# KiCad board vme-wren.kicad_pcb (continued)
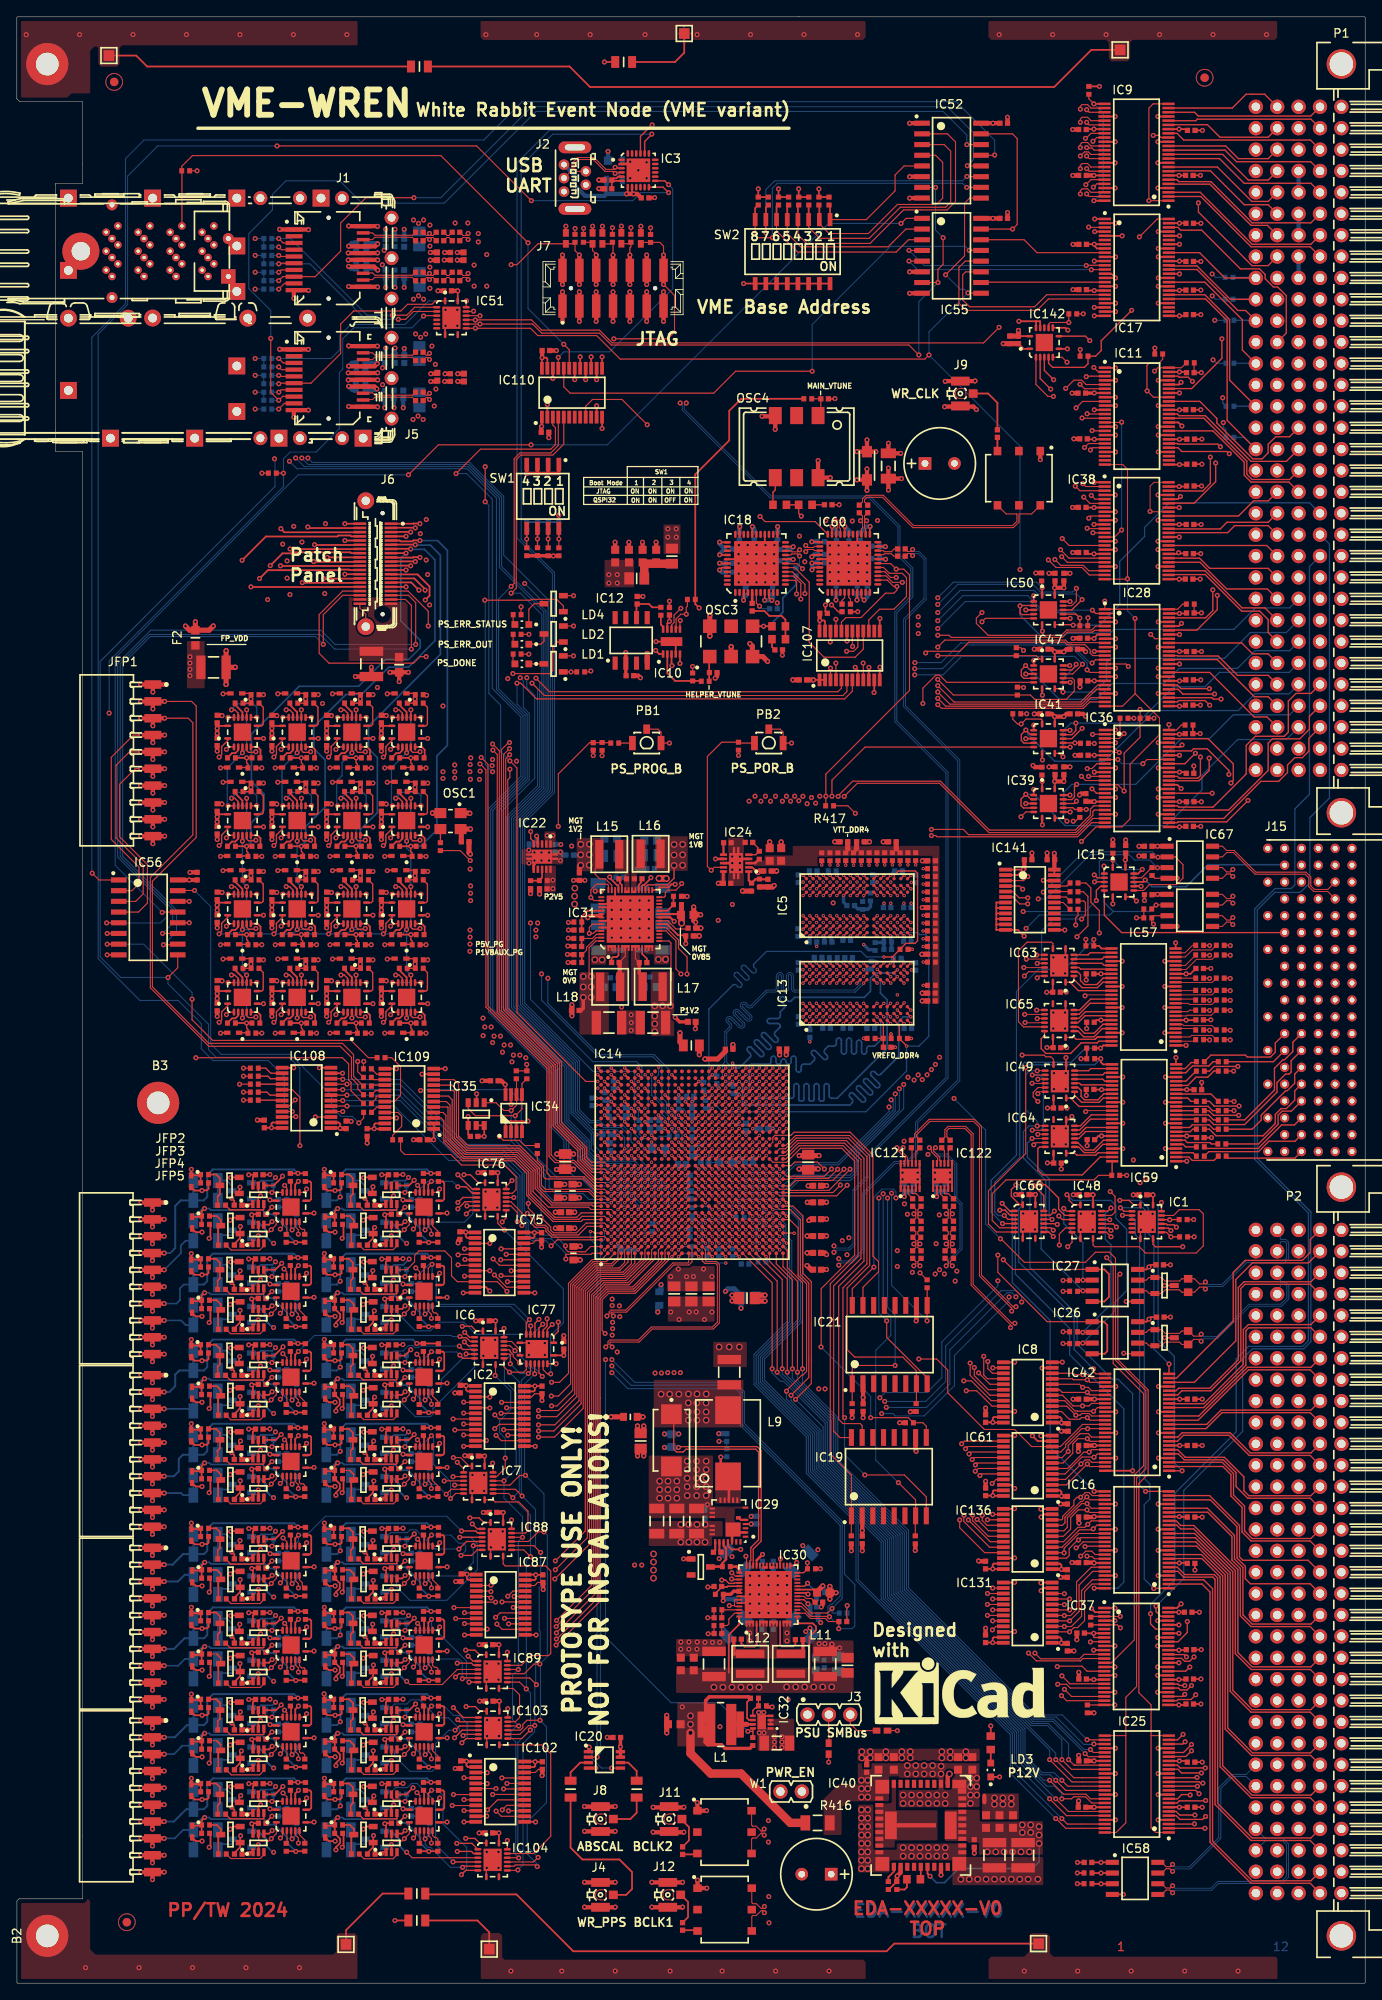
[diagram p0: board, top side]
## Routing (per net, layer and track width the routed paths; a pad name or vN(x,y) marks a point on that pad's centre or on a via; arc(x,y) is an arc through that point) (continued)
/vme_interface/vme_buffers_addr/VMEPX.A25: length 51.9
  Top Layer w0.15: IC37.37 136.77,39.01 138.63,39.01 v2(138.9,38.74)
  L3 w0.15: P2.B5 151.15,78.2 145.46,78.2 144.2,76.94 144.2,71.04 139.3,66.14 139.3,43.38 139.53,43.16 139.53,39.36 v2(138.9,38.74)
/vme_interface/vme_buffers_addr/VMEPX.A26: length 48.8
  Top Layer w0.15: v2(139.8,38.74) 139.28,38.21 138.69,38.21 138.34,38.56 136.77,38.56 IC37.36
  L3 w0.15: v2(139.8,38.74) 139.83,38.76 139.83,48.22 140.6,49 140.6,53.54 139.6,54.54 139.6,63.41 146.77,70.58 147.59,70.58 148.5,71.49 148.5,74.53 149.61,75.64 151.13,75.64 P2.B6
/vme_interface/vme_buffers_addr/VMEPX.A27: length 47.2
  Top Layer w0.15: IC37.33 138.81,37.04 v2(139.3,37.54)
  L3 w0.15: v2(139.3,37.54) 139.35,37.54 140.33,38.52 140.33,38.96 140.13,39.16 140.13,42.06 141.3,43.24 141.3,64.68 144.66,68.04 147.59,68.04 148.22,68.67 148.22,69.56 149.24,70.58 150.13,70.58 151.1,71.55 151.1,73.07 P2.B7
/vme_interface/vme_buffers_addr/VMEPX.A28: length 46.9
  Top Layer w0.15: v2(138.7,35.34) 138.08,35.34 137.9,35.51 136.77,35.51 IC37.30
  L3 w0.15: v2(138.7,35.34) 141.6,38.24 141.6,64.56 144.78,67.74 149.83,67.74 150.76,68.67 150.76,70.19 P2.B8
/vme_interface/vme_buffers_addr/VMEPX.A29: length 44.8
  Top Layer w0.15: v2(139.5,35.34) 138.98,34.81 138.18,34.81 137.95,35.04 IC37.29
  L3 w0.15: P2.B9 150.76,67.65 150.76,66.13 150.13,65.5 146.7,65.5 141.9,60.7 141.9,36.66 140.58,35.34 v2(139.5,35.34)
/vme_interface/vme_buffers_addr/VMEPX.A30: length 42.5
  Top Layer w0.15: v2(138.7,34.29) 138.46,34.04 IC37.27
  L3 w0.15: P2.B10 150.76,65.11 150.76,63.59 149.91,62.74 146.87,62.74 142.2,58.07 142.2,36.53 140.43,34.76 139.18,34.76 v2(138.7,34.29)
/vme_interface/vme_buffers_addr/VMEPX.A31: length 40.4
  Top Layer w0.15: v2(140,34.24) 139.45,33.68 137.9,33.68 137.76,33.54 IC37.26
  L3 w0.15: v2(140,34.24) 140.33,34.24 142.5,36.41 142.5,55.83 147.09,60.42 150.13,60.42 151,61.29 151,62.81 P2.B11
/vme_interface/vme_buffers_addr/VMEPX.AM0: length 20.7
  Top Layer w0.15: P1.B16 151.15,183.61 149.5,183.61 148.61,182.71 148.61,181.7 147.9,180.99 146.78,180.99 142.51,185.25 142.51,185.78 140.49,187.81 IC11.40
/vme_interface/vme_buffers_addr/VMEPX.AM1: length 18.3
  Top Layer w0.15: IC11.37 137.83,186.31 138.03,186.11 141.16,186.11 146.57,180.69 150.77,180.69 P1.B17
/vme_interface/vme_buffers_addr/VMEPX.AM2: length 19.8
  Top Layer w0.15: P1.B18 151.15,178.53 146.7,178.53 146.07,179.16 146.07,180.71 140.98,185.81 IC11.36
/vme_interface/vme_buffers_addr/VMEPX.AM3: length 19.3
  Top Layer w0.15: IC11.33 142.05,184.31 145.77,180.59 145.77,179.03 146.57,178.23 151.06,178.23 P1.B19
/vme_interface/vme_buffers_addr/VMEPX.AM4: length 34.1
  Top Layer w0.15: IC11.30 137.83,182.81 137.9,182.74 142.62,182.74 v2(142.93,182.42)
  L3 w0.15: P1.A23 155.84,167.98 155.84,180.05 154.82,181.07 143.78,181.07 143.47,181.38 143.47,181.88 v2(142.93,182.42)
/vme_interface/vme_buffers_addr/VMEPX.AM5: length 18.9
  Top Layer w0.15: v2(143.99,181.59) 143.73,181.85 138.36,181.85 137.91,182.31 IC11.29
  L3 w0.15: P1.C14 148.61,188.69 147.07,188.69 143.99,185.61 v2(143.99,181.59)
/vme_interface/vme_buffers_addr/VMEPX.AS_N: length 32.4
  Top Layer w0.15: v2(142.56,164.78) 142.56,163.07 140.14,160.65 136.84,160.65 IC28.43
  L3 w0.15: P1.A18 153.69,178.53 146.7,178.53 142.56,174.39 v2(142.56,164.78)
/vme_interface/vme_buffers_addr/VMEPX.BERR_N: length 17.6
  Top Layer w0.15: v2(143.11,195.24) 143.11,192.93 139.52,189.33 136.84,189.33 IC11.43
  L3 w0.15: P1.C11 148.61,196.31 144.18,196.31 v2(143.11,195.24)
/vme_interface/vme_buffers_addr/VMEPX.BG3IN: length 35.2
  Top Layer w0.15: v2(132.39,198.62) 128.78,195.01 128.78,193.85 128.11,193.18 R402.2 127.21,192.28 126.78,191.85 123,191.85 122.53,192.32 IC142.5
  L5 w0.15: P1.B10 150.94,198.64 132.4,198.64
/vme_interface/vme_buffers_addr/VMEPX.BG3OUT: length 39.3
  Top Layer w0.15: IC142.3 121.53,190.52 v2(122.78,189.27)
  Top Layer w0.2: v2(126.29,193.97) 126.27,193.95 126.27,193.25
  L5 w0.15: v2(122.78,189.27) 126.29,192.78 v2(126.29,193.97) 126.29,195.23 127.37,196.31 151.15,196.31 P1.B11
/vme_interface/vme_buffers_addr/VMEPX.BR3: length 31.9
  Top Layer w0.15: IC142.8 126.9,195.55 v2(127.42,195.03)
  L5 w0.15: P1.B15 150.76,188.69 143.55,188.69 142.7,189.54 134.5,189.54 129,195.04 127.45,195.04
/vme_interface/vme_buffers_addr/VMEPX.D0: length 18.6
  Top Layer w0.15: IC17.22 139.86,222.14 140.31,221.69 153.67,221.69 P1.A1
/vme_interface/vme_buffers_addr/VMEPX.D1: length 18.5
  Top Layer w0.15: P1.A2 153.69,221.32 140.2,221.32 140.01,221.14 IC17.20
/vme_interface/vme_buffers_addr/VMEPX.D2: length 18.8
  Top Layer w0.15: 136.8,219.61 IC17.17 137.78,219.64 138.58,218.84 153.63,218.84 P1.A3
/vme_interface/vme_buffers_addr/VMEPX.D3: length 19
  Top Layer w0.15: IC17.13 143.48,217.64 144.85,216.27 153.66,216.27 P1.A4
/vme_interface/vme_buffers_addr/VMEPX.D4: length 19.7
  Top Layer w0.15: IC17.11 142.83,216.64 145.76,213.7 153.69,213.7 P1.A5
/vme_interface/vme_buffers_addr/VMEPX.D5: length 20.6
  Top Layer w0.15: 136.83,214.08 IC17.6 137.76,214.14 137.99,213.9 141.81,213.9 146.7,209.01 153.69,209.01 P1.A6
/vme_interface/vme_buffers_addr/VMEPX.D6: length 21
  Top Layer w0.15: P1.A7 153.69,206.47 146.7,206.47 140.53,212.64 IC17.3
/vme_interface/vme_buffers_addr/VMEPX.D7: length 20.9
  Top Layer w0.15: P1.A8 153.6,206.17 146.57,206.17 140.61,212.14 IC17.2
/vme_interface/vme_buffers_addr/VMEPX.D8: length 14.2
  Top Layer w0.15: IC17.23 144.34,222.64 145.98,224.28 148.19,224.28 P1.C1
/vme_interface/vme_buffers_addr/VMEPX.D9: length 14
  Top Layer w0.15: IC17.19 136.79,220.66 141.39,220.66 142.88,219.17 148.61,219.17 P1.C2
/vme_interface/vme_buffers_addr/VMEPX.D10: length 14
  Top Layer w0.15: P1.C3 148.61,216.63 145.07,216.63 143.56,218.14 IC17.14
/vme_interface/vme_buffers_addr/VMEPX.D11: length 14.6
  Top Layer w0.15: IC17.12 143.2,217.14 146.24,214.09 148.61,214.09 P1.C4
/vme_interface/vme_buffers_addr/VMEPX.D12: length 15.1
  Top Layer w0.15: IC17.9 142.58,215.64 146.66,211.55 148.61,211.55 P1.C5
/vme_interface/vme_buffers_addr/VMEPX.D13: length 15
  Top Layer w0.15: IC17.8 136.81,215.18 141.76,215.18 145.77,211.16 148.61,211.16 P1.C6
/vme_interface/vme_buffers_addr/VMEPX.D14: length 15.4
  Top Layer w0.15: IC17.5 136.81,213.6 141.68,213.6 146.57,208.71 148.52,208.71 P1.C7
/vme_interface/vme_buffers_addr/VMEPX.D15: length 26.3
  Top Layer w0.15: IC17.16 135.9,219.14 135.64,219.39 v2(134.96,219.39) ; P1.C8 148.61,203.93 146.68,203.93 140.32,210.29 v2(140.32,211.38)
  L3 w0.15: v2(134.96,219.39) 136.03,219.39 139.13,216.28 139.13,213.57 140.32,212.38 v2(140.32,211.38)
/vme_interface/vme_buffers_addr/VMEPX.D16: length 48.4
  Top Layer w0.15: v2(140.2,23.38) 140.19,23.39 IC25.12
  L5 w0.15: P2.B14 151.15,57.49 143.7,57.49 142.95,56.74 142.95,53.74 141.35,52.14 141.35,28.64 139.63,26.91 139.63,23.95 v2(140.2,23.38)
/vme_interface/vme_buffers_addr/VMEPX.D17: length 45.2
  Top Layer w0.15: IC25.11 140,22.89 v2(140.4,22.49)
  L5 w0.15: v2(140.4,22.49) 141.67,23.75 141.67,50.68 141.65,50.69 141.65,52.02 142.43,52.8 151.15,52.8 P2.B15
/vme_interface/vme_buffers_addr/VMEPX.D18: length 43.4
  Top Layer w0.15: IC25.9 137.84,21.89 138.34,22.39 139.3,22.39 v2(139.35,22.34)
  L5 w0.15: P2.B16 151.15,50.26 142.51,50.26 141.97,49.72 141.97,23.3 140.63,21.96 139.73,21.96 v2(139.35,22.34)
/vme_interface/vme_buffers_addr/VMEPX.D19: length 40.8
  Top Layer w0.15: IC25.8 137.79,21.39 138.05,21.65 141.14,21.65 v2(141.18,21.69)
  L5 w0.15: v2(141.18,21.69) 142.27,22.78 142.27,46.7 143.28,47.72 151.15,47.72 P2.B17
/vme_interface/vme_buffers_addr/VMEPX.D20: length 39.3
  Top Layer w0.15: v2(139.9,19.96) 138.1,19.96 137.68,20.39 IC25.6 136.86,20.33
  L5 w0.15: v2(139.9,19.96) 140.59,19.96 142.57,21.94 142.57,43.7 144.04,45.18 151.15,45.18 P2.B18
/vme_interface/vme_buffers_addr/VMEPX.D21: length 37.2
  Top Layer w0.15: IC25.5 137.68,19.89 138.13,19.44 140.83,19.44 v2(141.18,19.79)
  L5 w0.15: v2(141.18,19.79) 142.87,21.48 142.87,41.19 144.12,42.44 150.95,42.44 P2.B19
/vme_interface/vme_buffers_addr/VMEPX.D22: length 35.4
  Top Layer w0.15: v2(139.85,18.91) 139.83,18.89 IC25.3
  L5 w0.15: v2(139.85,18.91) 141.05,18.91 143.17,21.03 143.17,39.39 143.88,40.1 151.15,40.1 P2.B20
/vme_interface/vme_buffers_addr/VMEPX.D23: length 31.8
  Top Layer w0.15: v2(141.1,18.39) IC25.2
  L5 w0.15: v2(141.1,18.39) 143.47,20.75 143.47,34.33 146.7,37.56 151.15,37.56 P2.B21
/vme_interface/vme_buffers_addr/VMEPX.D24: length 17.4
  Top Layer w0.15: v2(138.5,29.54) 137.85,28.89 IC25.23
  L3 w0.15: v2(138.5,29.54) 141.44,32.48 151.15,32.48 P2.B23
/vme_interface/vme_buffers_addr/VMEPX.D25: length 17.5
  Top Layer w0.15: v2(138.75,28.66) 138.47,28.39 IC25.22
  L3 w0.15: v2(138.75,28.66) 142.26,32.18 151.06,32.18 P2.B24
/vme_interface/vme_buffers_addr/VMEPX.D26: length 16.6
  Top Layer w0.15: v2(139.5,28.34) 138.55,27.39 IC25.20
  L3 w0.15: v2(139.5,28.34) 140.44,27.4 151.15,27.4 P2.B25
/vme_interface/vme_buffers_addr/VMEPX.D27: length 16.4
  Top Layer w0.15: IC25.19 136.83,26.91 138.83,26.91 v2(139.5,27.59)
  L3 w0.15: P2.B26 151.06,27.1 139.99,27.1 v2(139.5,27.59)
/vme_interface/vme_buffers_addr/VMEPX.D28: length 16.5
  Top Layer w0.15: 136.83,25.86 IC25.17 137.82,25.89 138.16,25.55 v2(141.14,25.55)
  L3 w0.15: P2.B27 151.15,24.47 142.22,24.47 v2(141.14,25.55)
/vme_interface/vme_buffers_addr/VMEPX.D29: length 17.3
  Top Layer w0.15: v2(140.69,24.96) 138.33,24.96 137.89,25.39 IC25.16
  L3 w0.15: P2.B28 150.76,22.32 143.45,22.32 140.81,24.96 v2(140.69,24.96)
/vme_interface/vme_buffers_addr/VMEPX.D30: length 18
  Top Layer w0.15: IC25.14 140.12,24.39 v2(140.15,24.43)
  L3 w0.15: P2.B29 150.76,19.78 145.56,19.78 140.91,24.43 v2(140.15,24.43)
/vme_interface/vme_buffers_addr/VMEPX.D31: length 19.3
  Top Layer w0.15: IC25.13 136.82,23.9 140.42,23.9 140.57,23.75 v2(140.85,23.75)
  L3 w0.15: P2.B30 150.76,17.24 146.44,17.24 140.85,22.83 v2(140.85,23.75)
/vme_interface/vme_buffers_addr/VMEPX.DS0_N: length 32.2
  Top Layer w0.15: 136.79,175.7 136.81,175.72 139.82,175.72 142.37,178.28 v2(142.37,180.49)
  L3 w0.15: P1.A13 153.63,193.44 146.65,193.44 142.37,189.16 v2(142.37,180.49)
/vme_interface/vme_buffers_addr/VMEPX.DS1_N: length 33.7
  Top Layer w0.15: v2(141.74,181.19) 141.74,178.07 140.85,177.17 136.81,177.17 136.79,177.2
  L3 w0.15: v2(141.74,181.19) 141.74,190.96 146.7,195.92 153.69,195.92 P1.A12
/vme_interface/vme_buffers_addr/VMEPX.DTACK_N: length 59
  Top Layer w0.15: v2(144.18,142.5) 144.47,142.78 144.47,144.76 141.47,147.76 136.84,147.76 IC36.46
  L5 w0.15: P1.A16 153.69,183.61 153.69,181.7 152.67,180.68 151.78,180.68 151.06,179.96 151.06,176.79 149.86,175.6 149.24,175.6 148.61,174.97 148.61,169.39 147.2,167.98 146.69,167.98 145.05,166.34 145.05,143.89 144.18,143.02 v2(144.18,142.5)
/vme_interface/vme_buffers_addr/VMEPX.GA0: length 14.7
  Top Layer w0.15: IC9.37 136.9,203.89 140.16,203.89 144.12,199.92 P1.D10
  Bottom Layer w0.15: R56.1 147.13,199.94 P1.D10
/vme_interface/vme_buffers_addr/VMEPX.GA1: length 15.5
  Top Layer w0.15: IC9.36 140.15,203.47 145.02,198.6 145.93,198.6 P1.D11
  Bottom Layer w0.15: R59.1 147.09,197.44 P1.D11
/vme_interface/vme_buffers_addr/VMEPX.GA2: length 19.1
  Top Layer w0.15: P1.D13 145.54,193.9 145.54,197.5 141.08,201.97 IC9.33
  Bottom Layer w0.15: P1.D13 147.11,192.34 R60.1
/vme_interface/vme_buffers_addr/VMEPX.GA3: length 22.6
  Top Layer w0.15: IC9.30 141.09,200.47 144.03,197.52 144.03,190.33 P1.D15
  Bottom Layer w0.15: P1.D15 147.13,187.24 R61.1
/vme_interface/vme_buffers_addr/VMEPX.GA4: length 27.8
  Top Layer w0.15: IC9.29 141.17,199.97 143.73,197.4 143.73,185.55 P1.D17
  Bottom Layer w0.15: R67.1 145.75,183.54 P1.D17
/vme_interface/vme_buffers_addr/VMEPX.GAP: length 14.3
  Top Layer w0.15: IC9.40 140.47,205.47 143.47,202.46 P1.D9
  Bottom Layer w0.15: P1.D9 147.07,202.54 R55.1
/vme_interface/vme_buffers_addr/VMEPX.IACK_N: length 41.7
  Top Layer w0.15: IC50.8 125.39,161.3 v2(125.45,161.24)
  Bottom Layer w0.15: v2(125.45,161.24) 128.54,161.24 130.97,163.67 130.97,168.81 133.94,171.77 133.94,172.85 136.85,175.76 153.53,175.76 P1.A20
/vme_interface/vme_buffers_addr/VMEPX.IACKIN_N: length 149.2
  Top Layer w0.15: IC37.46 135.87,43.54 135.29,44.12 v2(135.29,44.76)
  Bottom Layer w0.15: v2(135.29,44.76) 138.59,48.06 138.59,58.51 145.58,65.5 145.58,74.15 146.74,75.31 152.84,75.31 153.69,76.16 153.69,91.56 147.31,97.94 147.31,127.44 149.39,129.51 152.43,129.51 153.56,130.64 153.56,138.39 155.89,140.71 155.89,170.86 P1.A21
/vme_interface/vme_buffers_addr/VMEPX.IACKOUT_N: length 147.7
  Top Layer w0.15: v2(134.64,43.86) 134.64,42.66 135.26,42.04 IC37.43
  Bottom Layer w0.15: v2(134.64,43.86) 134.64,44.96 137.54,47.86 137.54,58.19 144.81,65.46 144.81,74.14 146.29,75.61 152.71,75.61 153.39,76.29 153.39,91.44 147.01,97.81 147.01,127.56 149.42,129.96 151.33,129.96 151.79,130.42 151.79,139.44 153.51,141.16 153.51,168.19 P1.A22
/vme_interface/vme_buffers_addr/VMEPX.IRQ_N1: length 44.2
  Top Layer w0.15: IC39.3 120.43,140.56 v2(119.83,141.16) 119.26,140.6 119.26,139.81 119.54,139.53 120.74,139.53 IC39.5
  Bottom Layer w0.15: P1.B30 150.76,147.66 144.99,147.66 140.75,143.42 140.75,141.67 136.51,137.44 124.5,137.44 120.77,141.16 v2(119.83,141.16)
/vme_interface/vme_buffers_addr/VMEPX.IRQ_N2: length 40.4
  Top Layer w0.15: IC39.12 124.29,140.53 125.29,140.53 125.6,140.85 125.6,142.08 v2(125.86,142.34) ; IC39.8 124.36,138.31 v2(124.71,137.96)
  Bottom Layer w0.15: v2(124.71,137.96) 124.34,138.34 124.34,141.39 125.29,142.34 v2(125.86,142.34) 132.87,142.34 138.32,147.79 141.66,147.79 144.47,150.59 151.15,150.59 P1.B29
/vme_interface/vme_buffers_addr/VMEPX.IRQ_N3: length 42.1
  Top Layer w0.15: IC41.3 120.74,148.28 120.33,148.28 v2(119.83,148.79) 119.3,148.26 119.3,147.54 119.6,147.23 120.74,147.23 IC41.5
  Bottom Layer w0.15: v2(119.83,148.79) 120.04,148.58 120.04,148.28 123.24,145.09 129.14,145.09 135.15,151.1 145.06,151.1 147.05,153.09 151.11,153.09 P1.B28
/vme_interface/vme_buffers_addr/VMEPX.IRQ_N4: length 38.1
  Top Layer w0.15: v2(125.76,149.61) 125.76,148.71 125.29,148.23 124.29,148.23 IC41.12 ; v2(124.24,145.61) 123.84,146.01 IC41.8
  Bottom Layer w0.15: P1.B27 151.12,155.64 142.82,155.64 141.1,153.92 137.39,153.92 133.09,149.61 v2(125.76,149.61) 125.18,149.61 124.24,148.67 v2(124.24,145.61)
/vme_interface/vme_buffers_addr/VMEPX.IRQ_N5: length 41.1
  Top Layer w0.125: v2(119.8,156.44) 120.29,155.95 IC47.3
  Top Layer w0.15: v2(119.8,156.44) 119.3,155.93 119.3,155.23 119.6,154.92 120.78,154.92 120.78,154.93
  Bottom Layer w0.15: v2(119.8,156.44) 123.8,152.44 128.24,152.44 130.11,154.31 136.26,154.31 138.05,156.1 144.95,156.1 147.06,158.21 151.15,158.21 P1.B26
/vme_interface/vme_buffers_addr/VMEPX.IRQ_N6: length 39.7
  Top Layer w0.15: IC47.8 123.84,153.7 v2(124.24,153.3) ; v2(125.81,156.59) 125.81,156.44 125.29,155.92 124.29,155.92 IC47.12
  Bottom Layer w0.15: P1.B25 150.76,160.36 146.49,160.36 143.43,157.3 129.9,157.3 129.4,156.8 129.4,154.74 127.96,153.3 v2(124.24,153.3) 124.24,154.87 125.81,156.44 v2(125.81,156.59)
/vme_interface/vme_buffers_addr/VMEPX.IRQ_N7: length 41.2
  Top Layer w0.15: IC50.3 120.74,163.57 119.19,163.57 v2(119.14,163.53) 119.14,162.67 119.31,162.5 120.76,162.5 120.78,162.53
  Bottom Layer w0.15: v2(119.14,163.53) 119.14,162.43 121.58,160 124.41,160 124.7,160.29 129.83,160.29 130.28,160.74 144.54,160.74 147.09,163.29 151.15,163.29 P1.B24
/vme_interface/vme_buffers_addr/VMEPX.LWORD_N: length 73.6
  Top Layer w0.15: v2(146.21,140.43) 143.67,137.88 137.9,137.88 137.81,137.79 IC36.26
  L5 w0.15: v2(146.21,140.43) 145.35,141.29 145.35,161.59 147.05,163.29 147.59,163.29 148.22,163.92 148.22,166.96 149.24,167.98 150.13,167.98 151.1,168.95 151.1,169.84 151.78,170.52 152.4,170.52 153.3,171.42 153.3,177.12 154.32,178.14 155,178.14 155.84,178.97 155.84,190.21 155.21,190.84 151.15,190.84 P1.C13
/vme_interface/vme_buffers_addr/VMEPX.RETRY_N: length 115.1
  Top Layer w0.15: IC11.46 137.89,190.81 138.01,190.68 139.12,190.68 v2(139.61,190.19)
  L3 w0.15: v2(139.61,190.19) 139.21,189.79 139.21,130.39 139.41,130.19 139.41,117.84 139.51,117.74 139.51,105.24 148.61,96.14 148.61,88.99 149.24,88.36 150.34,88.36 151.01,87.69 151.01,85.57 P2.B3
/vme_interface/vme_buffers_addr/VMEPX.SYSCLK: length 53
  Top Layer w0.15: v2(142.03,165.43) 142.03,162.97 141.16,162.1 136.84,162.1 IC28.46
  L3 w0.15: P1.A10 153.66,198.82 145.95,198.82 141.44,194.31 141.44,182.47 141.22,182.24 141.22,180.9 142.03,180.09 v2(142.03,165.43)
/vme_interface/vme_buffers_addr/VMEPX.SYSRESET: length 23.6
  Top Layer w0.15: P1.C12 150.76,195.92 150.76,200.37 149.74,201.39 149.24,201.39 148.25,202.37 148.25,202.87 147.59,203.54 145.31,203.54 140.71,208.14 138.22,208.14 137.89,208.47 IC9.46
/vme_interface/vme_buffers_addr/VMEPX.WRITE_N: length 60.5
  Top Layer w0.15: IC36.43 136.84,146.31 139.5,146.31 139.75,146.55 141.37,146.55 143.94,143.98 v2(143.94,143.52)
  L5 w0.15: v2(143.94,143.52) 144.75,144.33 144.75,171.21 146.99,173.45 147.59,173.45 148.22,174.08 148.22,177.31 149.04,178.14 149.74,178.14 150.76,179.16 150.76,184.74 151.81,185.79 152.31,185.79 153.47,186.95 153.47,188.47 P1.A14
/vme_interface/vme_p1_p2/VMEPX.BG0IN: length 2.5
  Bottom Layer w0.5: P1.B5 P1.B4
/vme_interface/vme_p1_p2/VMEPX.BG1IN: length 2.5
  Bottom Layer w0.5: P1.B6 P1.B7
/vme_interface/vme_p1_p2/VMEPX.BG2IN: length 2.5
  Bottom Layer w0.5: P1.B9 P1.B8
/vme_interface/VMEPX_USERIO_A.IO0: length 29.5
  Top Layer w0.15: IC42.23 137.72,71.84 144.46,78.58 144.46,84.4 145.88,85.82 152.67,85.82 153.6,86.75 153.6,88.27 P2.A1
/vme_interface/VMEPX_USERIO_A.IO1: length 28.6
  Top Layer w0.15: IC42.22 139.84,71.34 144.76,76.26 144.76,83.54 146.74,85.52 153.39,85.52 P2.A2
/vme_interface/VMEPX_USERIO_A.IO2: length 28.7
  Top Layer w0.15: IC42.20 137.67,70.34 137.97,70.64 141.68,70.64 145.06,74.02 145.06,82.6 145.74,83.28 153.69,83.28 P2.A3
/vme_interface/VMEPX_USERIO_A.IO3: length 28.9
  Top Layer w0.15: P2.A4 153.6,82.98 145.87,82.98 145.36,82.47 145.36,73.9 141.8,70.34 138.36,70.34 137.86,69.84 IC42.19
/vme_interface/VMEPX_USERIO_A.IO4: length 24.7
  Top Layer w0.15: P2.A5 153.69,78.2 146.26,78.2 145.66,77.6 145.66,73.48 140.98,68.8 136.88,68.8 IC42.17
/vme_interface/VMEPX_USERIO_A.IO5: length 24.7
  Top Layer w0.15: IC42.16 140.95,68.34 145.96,73.36 145.96,77.47 146.3,77.81 153.69,77.81 P2.A6
/vme_interface/VMEPX_USERIO_A.IO6: length 20.8
  Top Layer w0.15: IC42.14 140.37,67.34 146.15,73.12 153.69,73.12 P2.A7
/vme_interface/VMEPX_USERIO_A.IO7: length 20.9
  Top Layer w0.15: P2.A8 153.6,72.82 146.27,72.82 140.29,66.84 IC42.13
/vme_interface/VMEPX_USERIO_A.IO8: length 19.1
  Top Layer w0.15: IC42.12 141.31,66.34 143,68.04 153.69,68.04 P2.A9
/vme_interface/VMEPX_USERIO_A.IO9: length 19.2
  Top Layer w0.15: IC42.11 141.23,65.84 143.13,67.74 153.6,67.74 P2.A10
/vme_interface/VMEPX_USERIO_A.IO10: length 19.6
  Top Layer w0.15: P2.A11 153.69,62.96 146.48,62.96 144.1,65.35 138.39,65.35 137.88,64.84 IC42.9
/vme_interface/VMEPX_USERIO_A.IO11: length 19.7
  Top Layer w0.15: P2.A12 153.6,62.66 146.36,62.66 143.97,65.05 138.54,65.05 137.83,64.34 IC42.8
/vme_interface/VMEPX_USERIO_A.IO12: length 21.7
  Top Layer w0.15: P2.A13 153.69,57.88 146.31,57.88 145.73,58.46 145.73,60.12 143.4,62.44 138.76,62.44 137.86,63.34 IC42.6 136.91,63.28
/vme_interface/VMEPX_USERIO_A.IO13: length 21.5
  Top Layer w0.15: P2.A14 153.6,57.58 146.18,57.58 144.79,58.97 144.79,60.63 143.28,62.14 138.64,62.14 137.94,62.84 IC42.5
/vme_interface/VMEPX_USERIO_A.IO14: length 25.3
  Top Layer w0.15: P2.A15 153.69,52.8 146.7,52.8 145.8,53.69 145.8,56.64 144.49,57.95 144.49,60.5 143.16,61.84 138.51,61.84 138.51,61.84 IC42.3
/vme_interface/VMEPX_USERIO_A.IO15: length 25.3
  Top Layer w0.15: P2.A16 153.6,52.5 146.57,52.5 145.5,53.57 145.5,56.51 144.19,57.83 144.19,60.38 143.23,61.34 IC42.2
/vme_interface/VMEPX_USERIO_A.IO16: length 23.9
  Top Layer w0.15: IC16.23 141.65,57.89 145.2,54.34 145.2,50.61 145.6,50.21 153.35,50.21 P2.A17
/vme_interface/VMEPX_USERIO_A.IO17: length 25.6
  Top Layer w0.15: IC16.22 141.73,57.39 144.9,54.21 144.9,50.48 145.9,49.48 145.9,48.01 146.5,47.42 153.6,47.42 P2.A18
/vme_interface/VMEPX_USERIO_A.IO18: length 29
  Top Layer w0.15: IC16.20 141.38,56.39 144.6,53.16 144.6,50.36 145.6,49.36 145.6,43.73 146.7,42.64 153.69,42.64 P2.A19
/vme_interface/VMEPX_USERIO_A.IO19: length 29
  Top Layer w0.15: P2.A20 153.6,42.34 146.57,42.34 145.3,43.61 145.3,49.24 144.3,50.24 144.3,53.04 141.43,55.91 137.84,55.91 137.82,55.89 IC16.19
/vme_interface/VMEPX_USERIO_A.IO20: length 31.4
  Top Layer w0.15: P2.A21 153.69,37.56 146.7,37.56 145,39.25 145,49.11 139.78,54.34 138.23,54.34 137.68,54.89 IC16.17 136.83,54.86
/vme_interface/VMEPX_USERIO_A.IO21: length 31.3
  Top Layer w0.15: P2.A22 153.62,37.24 146.59,37.24 144.7,39.13 144.7,48.99 139.76,53.93 138.22,53.93 137.75,54.39 IC16.16
/vme_interface/VMEPX_USERIO_A.IO22: length 35.3
  Top Layer w0.15: IC16.14 139.88,53.39 144.4,48.86 144.4,34.77 146.7,32.48 153.69,32.48 P2.A23
/vme_interface/VMEPX_USERIO_A.IO23: length 35.3
  Top Layer w0.15: IC16.13 139.95,52.89 144.1,48.74 144.1,34.65 146.57,32.18 153.6,32.18 P2.A24
/vme_interface/VMEPX_USERIO_A.IO24: length 39.5
  Top Layer w0.15: IC16.12 140.03,52.39 143.8,48.61 143.8,30.29 146.76,27.34 153.63,27.34 P2.A25
/vme_interface/VMEPX_USERIO_A.IO25: length 39.4
  Top Layer w0.15: P2.A26 153.66,27.04 146.63,27.04 143.5,30.17 143.5,48.49 140.11,51.89 IC16.11
/vme_interface/VMEPX_USERIO_A.IO26: length 43.5
  Top Layer w0.15: P2.A27 153.69,22.32 146.7,22.32 143.2,25.81 143.2,48.37 140.68,50.89 IC16.9
/vme_interface/VMEPX_USERIO_A.IO27: length 43.4
  Top Layer w0.15: P2.A28 153.6,22.02 146.57,22.02 142.9,25.69 142.9,48.24 140.73,50.41 136.83,50.41 IC16.8
/vme_interface/VMEPX_USERIO_A.IO28: length 47.5
  Top Layer w0.15: P2.A29 153.69,17.24 146.7,17.24 142.6,21.33 142.6,48.12 142.21,48.51 138.69,48.51 137.82,49.39 IC16.6 136.86,49.33
/vme_interface/VMEPX_USERIO_A.IO29: length 47.3
  Top Layer w0.15: IC16.5 137.89,48.89 138.57,48.21 142.03,48.21 142.3,47.94 142.3,21.21 146.57,16.94 153.6,16.94 P2.A30
/vme_interface/VMEPX_USERIO_A.IO30: length 50.8
  Top Layer w0.15: P2.A31 153.69,12.16 146.7,12.16 142,16.85 142,46.84 140.95,47.89 IC16.3
/vme_interface/VMEPX_USERIO_A.IO31: length 50.6